# Altium PCB TC264Main.PcbDoc
Units mm, origin at the board's own origin, x right, y up, seen from the top; angles counter-clockwise.
Board outline 100 x 64.06 mm, 4 copper layers (Top, GND, PWR, Bottom), stack 0.55 mm thick; 45 components, 72 nets, 276 pads, 398 vias.
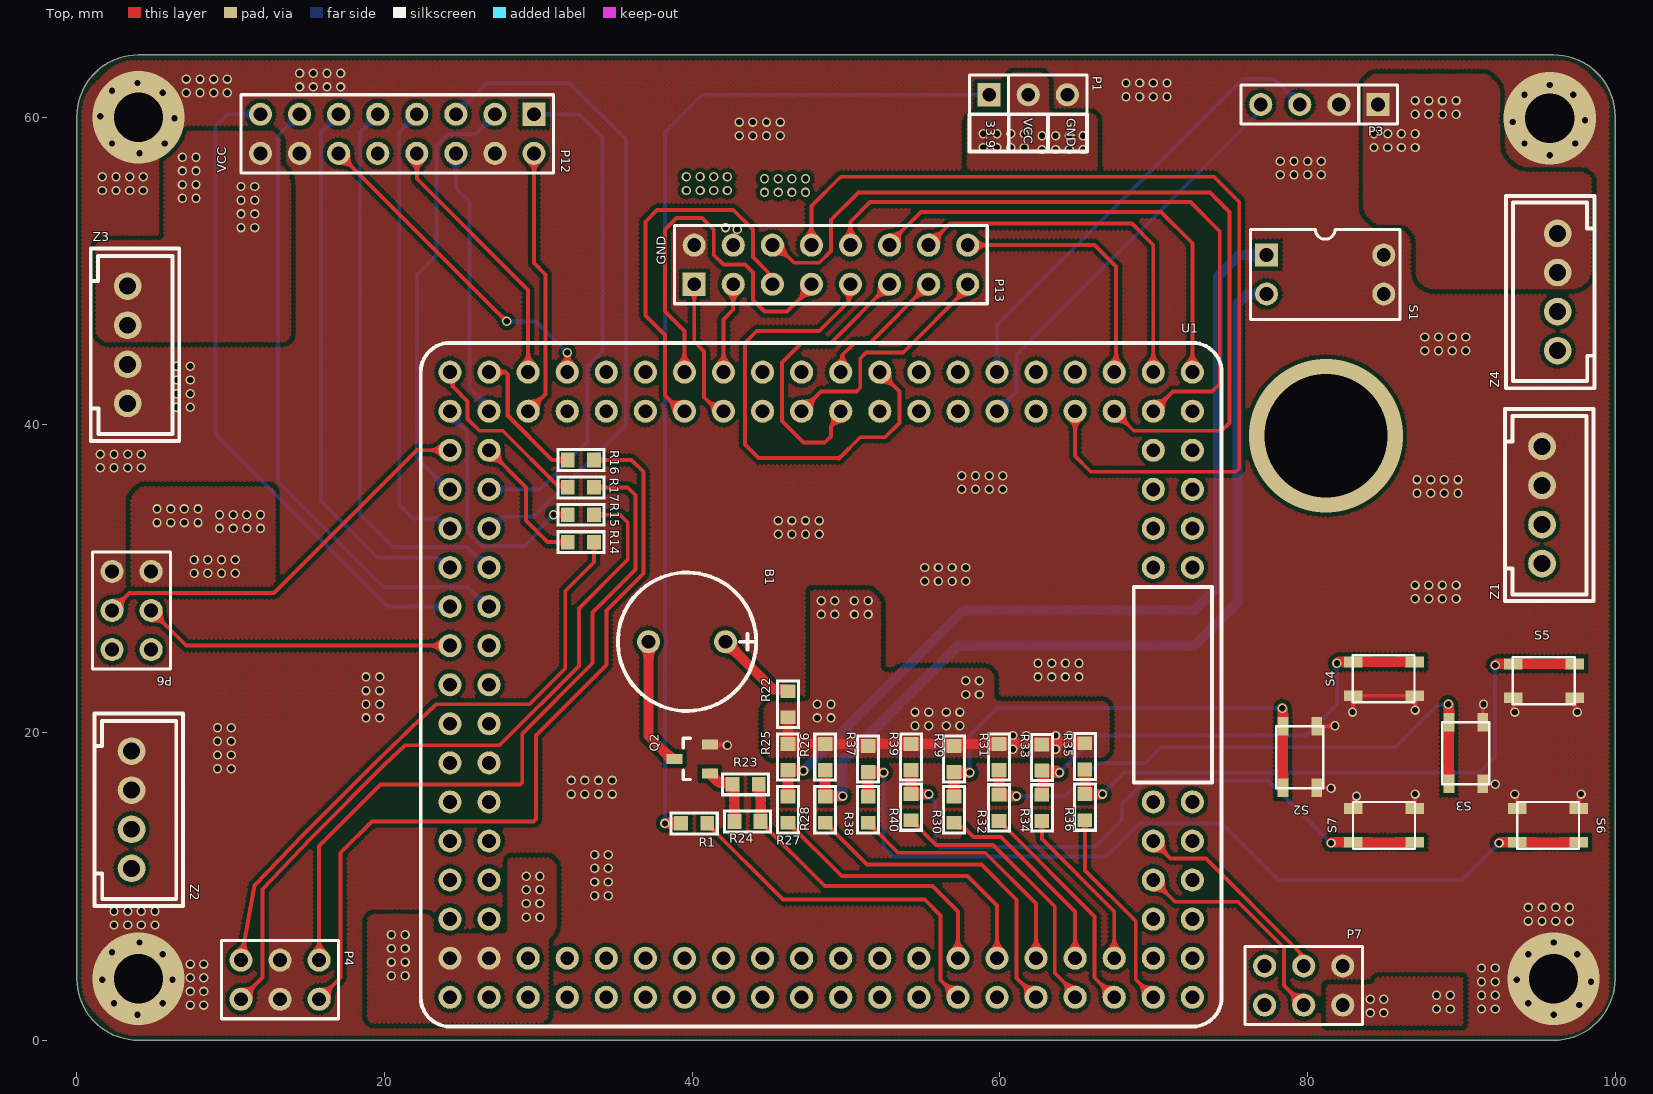
[diagram p0: Top view]
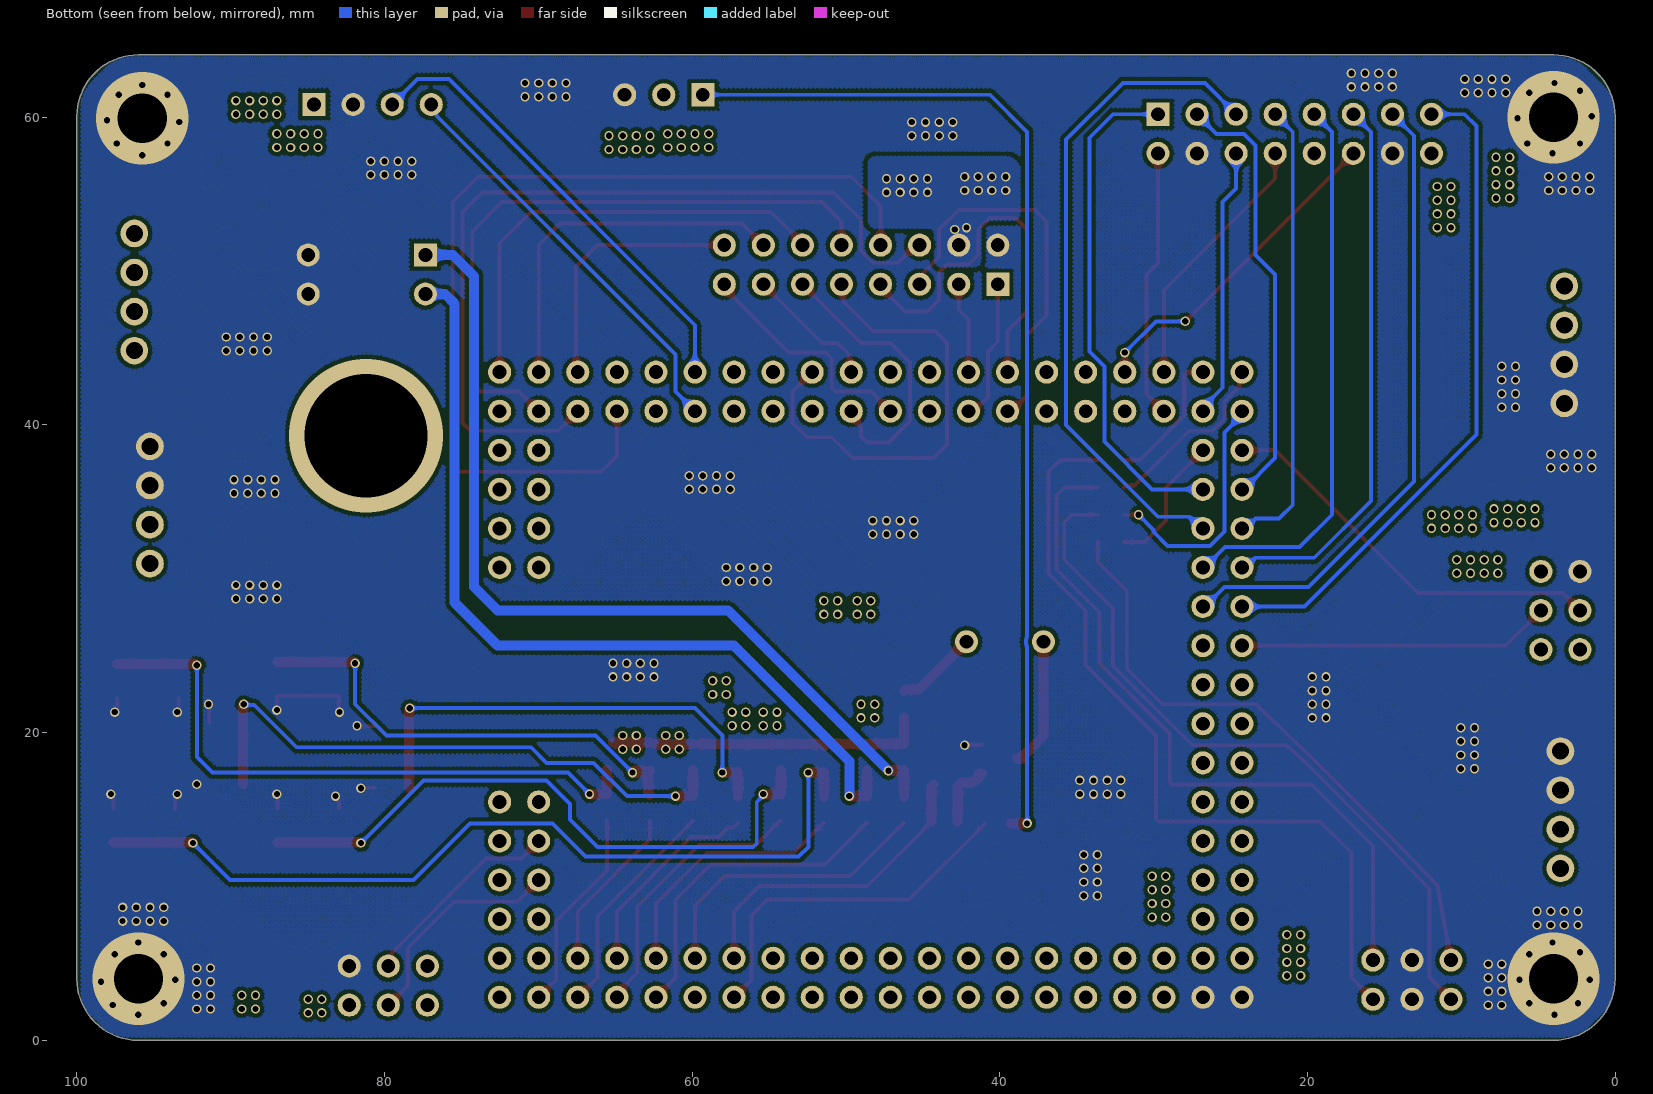
[diagram p1: Bottom view, seen from below]
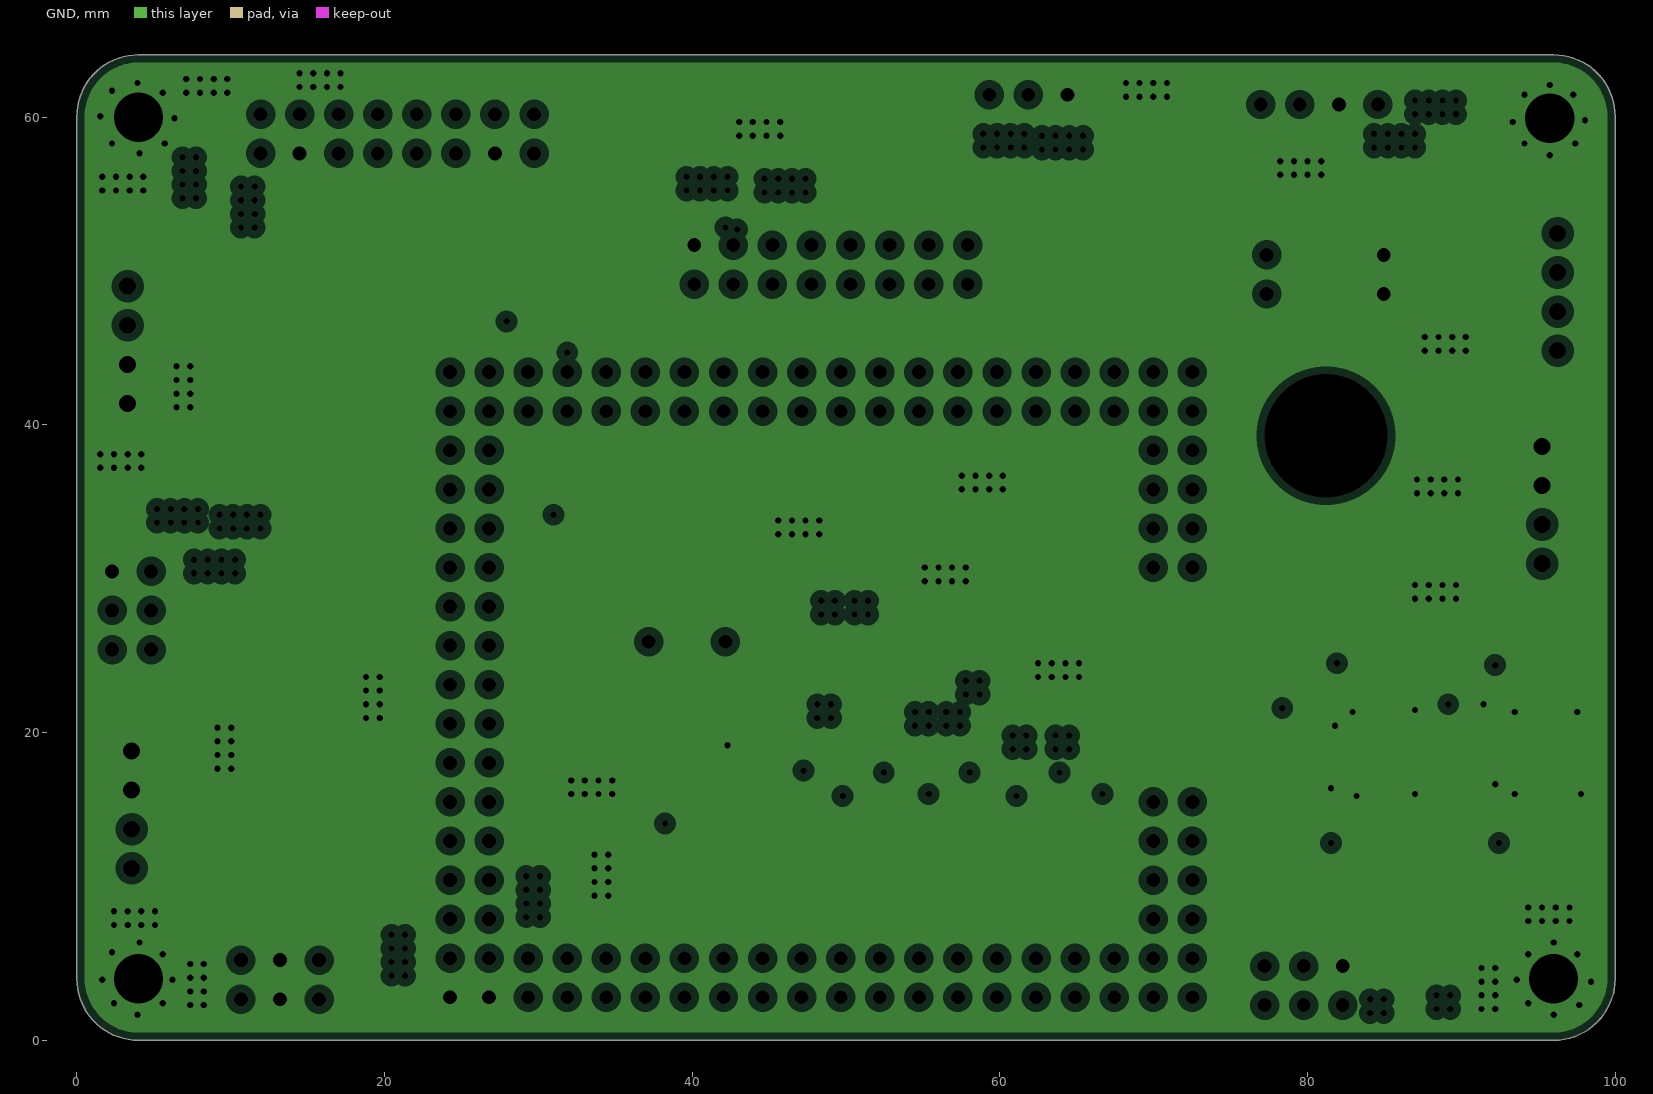
[diagram p2: GND, clearances drawn from the general rule]
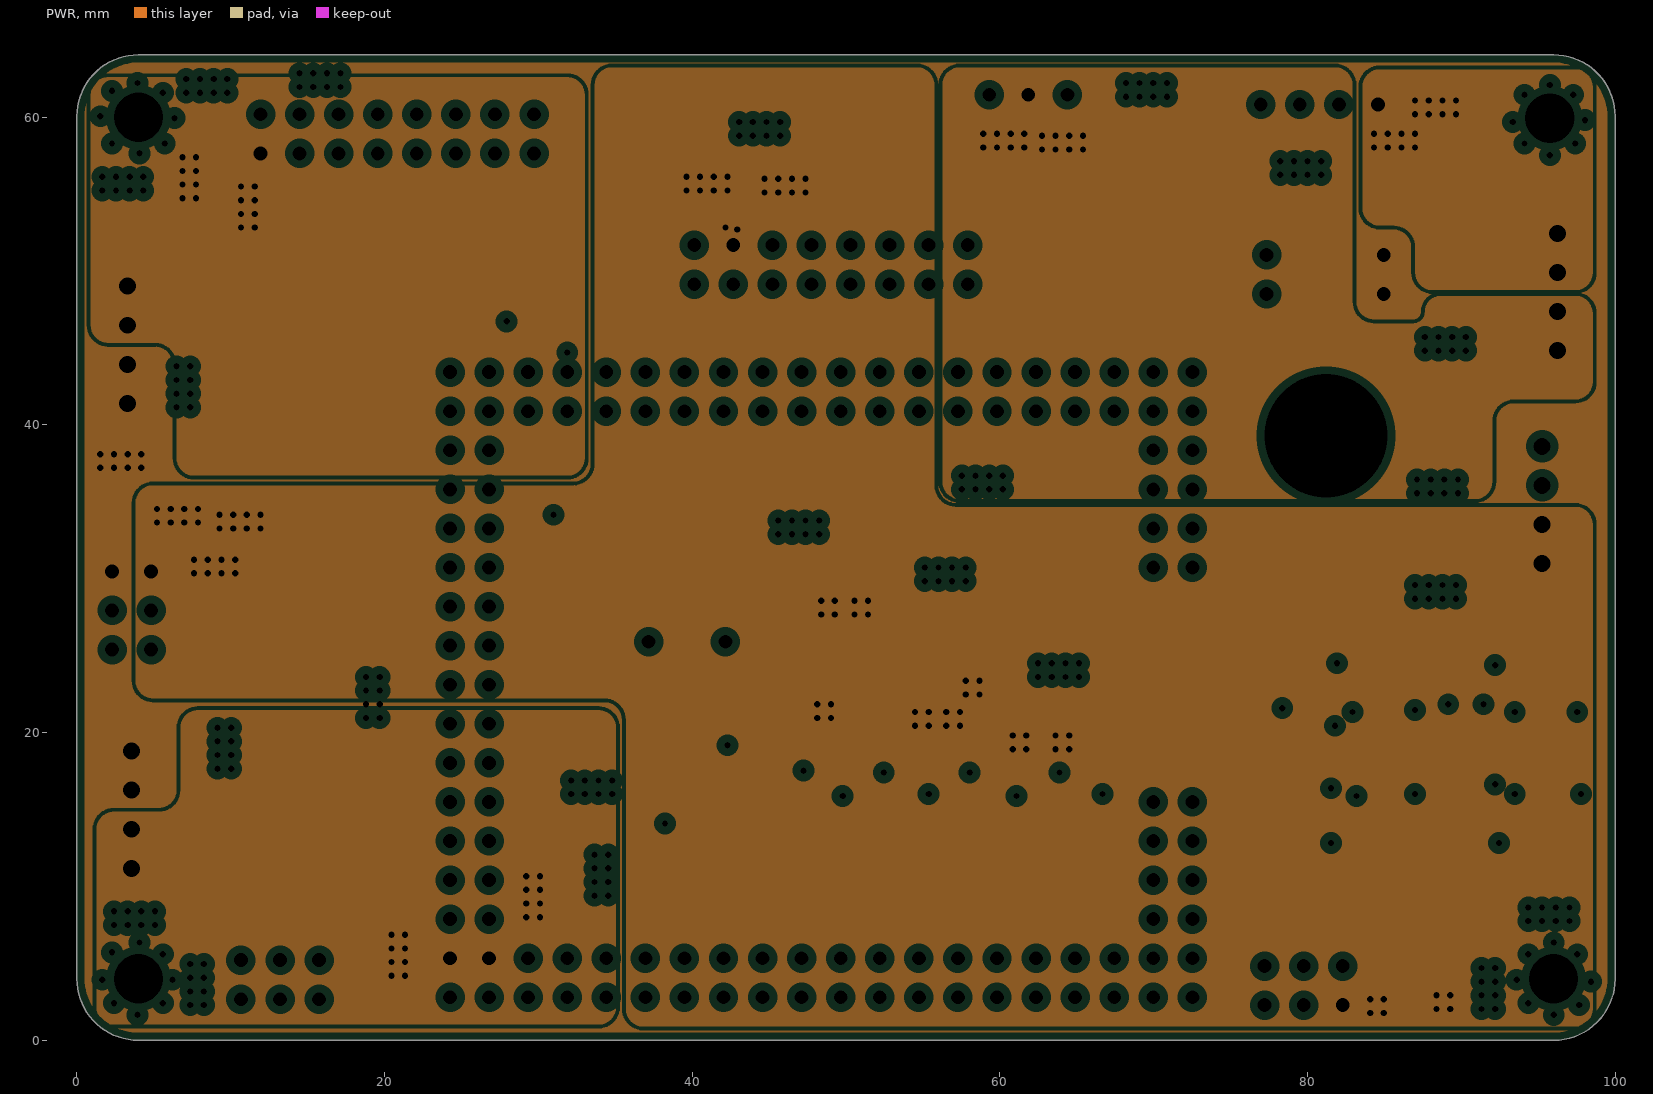
[diagram p3: PWR, clearances drawn from the general rule]

## Layer stack, top to bottom
Top Solder: solder mask 0.0102, Solder Resist, Dk 3.5
Top: signal copper 0.009
Dielectric 2: prepreg 0.0711, PP-006, Dk 4.1
GND: plane copper 0.035, net GND
Dielectric 1: dielectric 0.32, FR-4, Dk 4.8
PWR: plane copper 0.035
Dielectric 3: prepreg 0.0711, PP-006, Dk 4.1
Bottom: signal copper 0.009
Bottom Solder: solder mask 0.0102, Solder Resist, Dk 3.5

## Board outline
4,0 cw(c4,4) 0,4 0,60.059 cw(c4,60.059) 4,64.059 96,64.059 cw(c96,60.059) 100,60.059 100,60.033 100,4 cw(c96,4) 96,0
cut-out: -97.282,-386.207 -97.028,-386.207 -97.028,-385.953 -97.282,-385.953

## Design rules (kind name [scope] priority, off if disabled: settings)
Clearance [All] p1: gap=0.254 ignorepadtopadclearanceinfootprint=FALSE except(0: Arc-Hole Track-Hole SMDPad-Hole THPad-Hole Via-Hole Fill-Hole Poly-Hole Region-Hole Text-Hole)
PlaneClearance [All] p1: clearance=0.508
PlaneConnect [All] p1: planeconnectstyle=Direct reliefexpansion=0.508 reliefentries=4 reliefconductorwidth=0.254 reliefairgap=0.254
PolygonConnect [All] p1: connectstyle=Direct reliefconductorwidth=0.254 reliefentries=4 polygonreliefangle="90 Angle" airgapwidth=0.254
RoutingVias [All] p1: holewidth=0.711 width=1.27 viastyle="Through Hole" minholewidth=0.711 minwidth=1.27 maxholewidth=0.711 maxwidth=1.27
SolderMaskExpansion [All] p1: expansion=0.102 istentingtop=FALSE
Width [All] p1: maxlimit=1.27 minlimit=0.254 preferedwidth=0.254 minimp=50.000000 maximp=50.000000 favimp=50.000000
28 further rules are at their usual default settings.

## Components (designator, comment, footprint, x,y, rotation, side; value= is the part's Value field where it differs from the comment)
B1 "BEEP" "BEEP 9X5.5MM" 39.664,25.908 r180 top
P1 "Header 3" HDR1X3 59.309,61.468 r0 top
P3 "Header 4" HDR1X4 84.582,60.833 r180 top
P4 "Header-D-M 2x3P" HDR2X3-M 15.748,5.207 r180 top
P6 "Header-D-M 2x3P" HDR2X3-M 4.826,25.4 r90 top
P7 "Header-D-M 2x3P" HDR2X3-M 77.216,2.286 r0 top
P12 "Header 8X2" HDR2X8 29.718,60.198 r180 top
P13 "Header 8X2" HDR2X8 40.132,49.149 r0 top
Q2 "S8050" SOT-23 40.005,18.288 r180 top
R1 "100R ±1%" RESC1608[0603]S-N 40.132,14.097 r180 top value=100R
R14 "100R ±1%" RESC1608[0603]S-N 32.766,32.385 r180 top value=100R
R15 "100R ±1%" RESC1608[0603]S-N 32.766,34.163 r180 top value=100R
R16 "100R ±1%" RESC1608[0603]S-N 32.766,37.719 r0 top value=100R
R17 "100R ±1%" RESC1608[0603]S-N 32.766,35.941 r0 top value=100R
R22 "10R ±1%" RESC1608[0603]S-N 46.228,21.844 r90 top value=10R
R23 "4.7K ±1%" RESC1608[0603]S-N 43.473,16.637 r180 top value=4.7K
R24 "10K ±1%" RESC1608[0603]S-N 43.6,14.224 r180 top value=10K
R25 "4.7K ±1%" RESC1608[0603]S-N 46.228,18.415 r270 top value=4.7K
R26 "4.7K ±1%" RESC1608[0603]S-N 48.641,18.415 r270 top value=4.7K
R27 "470R ±1%" RESC1608[0603]S-N 46.228,14.986 r270 top value=470R
R28 "470R ±1%" RESC1608[0603]S-N 48.641,14.986 r270 top value=470R
R29 "4.7K ±1%" RESC1608[0603]S-N 57.023,18.288 r270 top value=4.7K
R30 "470R ±1%" RESC1608[0603]S-N 57.023,14.986 r270 top value=470R
R31 "4.7K ±1%" RESC1608[0603]S-N 59.944,18.415 r270 top value=4.7K
R32 "470R ±1%" RESC1608[0603]S-N 59.944,15.113 r270 top value=470R
R33 "4.7K ±1%" RESC1608[0603]S-N 62.738,18.376 r270 top value=4.7K
R34 "470R ±1%" RESC1608[0603]S-N 62.738,15.113 r270 top value=470R
R35 "4.7K ±1%" RESC1608[0603]S-N 65.532,18.454 r270 top value=4.7K
R36 "470R ±1%" RESC1608[0603]S-N 65.532,15.152 r270 top value=470R
R37 "4.7K ±1%" RESC1608[0603]S-N 51.435,18.288 r270 top value=4.7K
R38 "470R ±1%" RESC1608[0603]S-N 51.435,14.986 r270 top value=470R
R39 "4.7K ±1%" RESC1608[0603]S-N 54.229,18.415 r270 top value=4.7K
R40 "470R ±1%" RESC1608[0603]S-N 54.229,15.152 r270 top value=470R
S1 "SW DIP-2" "CODE SW-2-DIP-2.54" 81.153,49.784 r270 top
S2 "Button" PTS810-3*4-CURVEPIN 79.502,18.415 r90 top
S3 "Button" PTS810-3*4-CURVEPIN 90.297,18.669 r90 top
S4 "Button" PTS810-3*4-CURVEPIN 84.963,23.495 r0 top
S5 "Button" PTS810-3*4-CURVEPIN 95.377,23.368 r0 top
S6 "Button" PTS810-3*4-CURVEPIN 95.631,13.97 r180 top
S7 "Button" PTS810-3*4-CURVEPIN 84.963,13.97 r180 top
U1 "TC264_CoreBoard" "TC264_COREBOARD - DUPLICATE" 24.257,2.794 r90 top
Z1 "ZX-XH2.54-4PZZ" ZX-XH2.54-4PZZ 95.25,30.988 r90 top
Z2 "ZX-XH2.54-4PZZ" ZX-XH2.54-4PZZ 3.556,11.176 r90 top
Z3 "ZX-XH2.54-4PZZ" ZX-XH2.54-4PZZ 3.302,41.402 r90 top
Z4 "ZX-XH2.54-4PZZ" ZX-XH2.54-4PZZ 96.266,52.451 r270 top

## Footprints (in the part's own frame and the unit in brackets; to place one, negate y for a bottom-side part, rotate by r counter-clockwise, add the part's x,y. Pads: shape width x height; smd on the part's side, far side on the other; paste and mask are expansions set on the pad)
"BEEP 9X5.5MM" [mm] "蜂鸣器 9x5.5mm"
  round 1.5 hole 0.9: 1(-2.5,0) 2(2.5,0)
  silkscreen extent -4.5,-4.5 4.5,4.5, body extent -4.8,-4.8 4.8,4.8, height 5.05
"CODE SW-2-DIP-2.54" [mm] "2位直插拨码开关 间距2.54"
  rect 1.5x1.5 hole 0.9: 1(-1.27,-3.81)
  round 1.5 hole 0.9: 2(1.27,-3.81) 3(1.27,3.81) 4(-1.27,3.81)
  silkscreen extent -2.93,-4.85 2.93,4.85, body extent -3.04,-4.95 3.04,4.95, height 7.03
HDR1X3 [mm] "Connector; Header; 3 Position"
  rect 1.5x1.5 hole 0.9: 1(0,0)
  round 1.5 hole 0.9: 2(2.54,0) 3(5.08,0)
  silkscreen extent -1.27,-1.27 6.35,1.27, body extent -1.27,-1.27 6.35,1.27, height 8.54
HDR1X4 [mm] "Connector; Header; 4 Position"
  rect 1.5x1.5 hole 0.9: 1(0,0)
  round 1.5 hole 0.9: 2(2.54,0) 3(5.08,0) 4(7.62,0)
  silkscreen extent -1.27,-1.27 8.89,1.27, body extent -1.27,-1.27 8.89,1.27, height 8.54
HDR2X3-M [mm] "2x3pin, 2.54mm间距, 直插, 直排针"
  round 1.5 hole 0.9: 1(0,0) 2(0,2.54) 3(2.54,0) 4(2.54,2.54) 5(5.08,0) 6(5.08,2.54)
  silkscreen extent -1.27,-1.27 6.35,3.81, body extent -1.27,-1.27 6.35,3.81, height 8.54
HDR2X8 [mm] "Connector; Header; 8x2 Position"
  rect 1.5x1.5 hole 0.9: 1(0,0)
  round 1.5 hole 0.9: 2(0,2.54) 3(2.54,0) 4(2.54,2.54) 5(5.08,0) 6(5.08,2.54) 7(7.62,0) 8(7.62,2.54) 9(10.16,0) 10(10.16,2.54) 11(12.7,0) 12(12.7,2.54) 13(15.24,0) 14(15.24,2.54) 15(17.78,0) 16(17.78,2.54)
  silkscreen extent -1.27,-1.27 19.05,3.81, body extent -1.27,-1.27 19.05,3.81, height 8.54
PTS810-3*4-CURVEPIN [mm] "3*4 白色 汽车遥控器贴片按键 包脚"
  rect 1.2x0.7 smd: 1(-2,-1.1) 1(2,-1.1) 2(-2,1.1) 2(2,1.1)
  silkscreen extent -2.02,-1.52 2,1.52, body extent -2.3,-1.6 2.3,1.6, height 2.5
RESC1608[0603]S-N [mm] "0603贴片电阻 有丝印 2脚 1.60x0.80mm IPC中密度"
  rect 0.9x0.95 smd: 1(-0.85,0) 2(0.85,0)
  silkscreen extent -1.6,-0.77 1.6,0.78, body extent -0.8,-0.4 0.8,0.4, height 0.45
SOT-23 [mm] "SOT23, 3-Leads, Body 2.90x2.40mm, Pitch 0.95mm, IPC Medium Density"
  rect 1.05x0.65 smd: 1(-1.15,0.95) 2(-1.15,-0.95) 3(1.15,0)
  silkscreen extent 0.13,-1.35 0.58,1.35, body extent -1.4,-1.45 1.4,1.45, height 1.2
"TC264_COREBOARD - DUPLICATE" [mm] "逐飞科技TC264核心板"
  round 1.5 hole 0.9: 1(0,0) 2(2.54,0) 3(0,-2.54) 4(2.54,-2.54) 5(0,-5.08) 6(2.54,-5.08) 7(0,-7.62) 8(2.54,-7.62) 9(0,-10.16) 10(2.54,-10.16) 11(0,-12.7) 12(2.54,-12.7) 13(0,-15.24) 14(2.54,-15.24) 15(0,-17.78) 16(2.54,-17.78) 17(0,-20.32) 18(2.54,-20.32) 19(0,-22.86) 20(2.54,-22.86) 21(0,-25.4) 22(2.54,-25.4) 23(0,-27.94) 24(2.54,-27.94) 25(0,-30.48) 26(2.54,-30.48) 27(0,-33.02) 28(2.54,-33.02) 29(0,-35.56) 30(2.54,-35.56) 31(0,-38.1) 32(2.54,-38.1) 33(0,-40.64) 34(2.54,-40.64) 35(0,-43.18) 36(2.54,-43.18) 37(0,-45.72) 38(2.54,-45.72) 39(0,-48.26) 40(2.54,-48.26) 41(5.08,-48.26) 42(5.08,-45.72) 43(7.62,-48.26) 44(7.62,-45.72) 45(10.16,-48.26) 46(10.16,-45.72) 47(12.7,-48.26) 48(12.7,-45.72) 49(27.94,-45.72) 50(27.94,-48.26) 51(30.48,-45.72) 52(30.48,-48.26) 53(33.02,-45.72) 54(33.02,-48.26) 55(35.56,-45.72) 56(35.56,-48.26) 57(38.1,-48.26) 58(40.64,-48.26) 59(38.1,-45.72) 60(40.64,-45.72) 61(38.1,-43.18) 62(40.64,-43.18) 63(38.1,-40.64) 64(40.64,-40.64) 65(38.1,-38.1) 66(40.64,-38.1) 67(38.1,-35.56) 68(40.64,-35.56) 69(38.1,-33.02) 70(40.64,-33.02) 71(38.1,-30.48) 72(40.64,-30.48) 73(38.1,-27.94) 74(40.64,-27.94) 75(38.1,-25.4) 76(40.64,-25.4) 77(38.1,-22.86) 78(40.64,-22.86) 79(38.1,-20.32) 80(40.64,-20.32) 81(38.1,-17.78) 82(40.64,-17.78) 83(38.1,-15.24) 84(40.64,-15.24) 85(38.1,-12.7) 86(40.64,-12.7) 87(38.1,-10.16) 88(40.64,-10.16) 89(38.1,-7.62) 90(40.64,-7.62) 91(38.1,-5.08) 92(40.64,-5.08) 93(38.1,-2.54) 94(40.64,-2.54) 95(38.1,0) 96(40.64,0) 97(35.56,-2.54) 98(35.56,0) 99(33.02,-2.54) 100(33.02,0) 101(30.48,-2.54) 102(30.48,0) 103(27.94,-2.54) 104(27.94,0) 105(25.4,-2.54) 106(25.4,0) 107(22.86,-2.54) 108(22.86,0) 109(20.32,-2.54) 110(20.32,0) 111(17.78,-2.54) 112(17.78,0) 113(15.24,-2.54) 114(15.24,0) 115(12.7,-2.54) 116(12.7,0) 117(10.16,-2.54) 118(10.16,0) 119(7.62,-2.54) 120(7.62,0) 121(5.08,-2.54) 122(5.08,0)
  silkscreen extent -1.91,-50.16 42.55,1.91
ZX-XH2.54-4PZZ [mm]
  round 1.8 hole 1.1 paste-2539.97 mask+0.051: 1(7.62,0) 2(5.08,0) 3(2.54,0) 4(0,0)
  silkscreen extent -2.44,-3.35 10.06,2.4, body extent -2.44,-3.29 10.06,2.41, height 7

## Part data
B1: "蜂鸣器"
P1: "Header, 3-Pin", LatestRevisionDate=17-Jul-2002, LatestRevisionNote="Re-released for DXP Platform.", Price(RMB)=0.00, Publisher="Altium Limited"
P3: "Header, 4-Pin", LatestRevisionDate=17-Jul-2002, LatestRevisionNote="Re-released for DXP Platform.", Price(RMB)=0.00, Publisher="Altium Limited"
P4 P6 P7: "2x3pin, 直插, 双排针", Revision=V1.0
P12 P13: "Header, 8-Pin, Dual row", LatestRevisionDate=17-Jul-2002, LatestRevisionNote="Re-released for DXP Platform.", Price(RMB)=0.00, Publisher="Altium Limited"
Q2: library part "NPN S8050", "Discrete NPN Bipolar Transistor", PartNumber=S8050, Price(RMB)=0.000, Published=8-Jun-2000, Publisher="Altium Limited", Revision="July-2002: Re-released for DXP Platform."
R1 R14 R15 R16 R17: library part Res-Chip_1, "贴片电阻", Tolerance=±1%, Published=8-Jun-2000, Revision="July-2002: Re-released for DXP Platform."
R22: library part Res-Chip_10, "贴片电阻", Tolerance=±1%, Published=8-Jun-2000, Revision="July-2002: Re-released for DXP Platform."
R23 R25 R26 R29 R31 R33 R35 R37 R39: library part Res-Chip_4, "贴片电阻", Tolerance=±1%, Published=8-Jun-2000, Revision="July-2002: Re-released for DXP Platform."
R24: library part Res-Chip, "贴片电阻", Tolerance=±1%, Published=8-Jun-2000, Revision="July-2002: Re-released for DXP Platform."
R27 R28 R30 R32 R34 R36 R38 R40: library part Res-Chip_11, "贴片电阻", Tolerance=±1%, Published=8-Jun-2000, Revision="July-2002: Re-released for DXP Platform."
S1: library part "Code SW-2", "2位拨码开关", Price(RMB)=0.000, Published=24-Mar-1999, Publisher="Altium Limited", Revision="July-2002: Re-released for DXP Platform."
S2 S3 S4 S5 S6 S7: library part KEY, "按键", Price(RMB)=0.000, Published=24-Mar-1999, Publisher="Altium Limited"
U1: "逐飞科技TC264核心板"
Z1 Z2 Z3 Z4: "接线端子"

## Via types
v1: diameter 0.61, hole 0.406, Top to Bottom, tented both sides, 393 vias
v2: diameter 6, hole 3.2, Top to Bottom, 4 vias
v3: diameter 10, hole 8, Top to Bottom, 1 vias

## Nets (pads, with @x,y where several pads share a name; then routed paths per layer and width w, separated by ;. In a path a pad name is that pad's centre, name@x,y a point inside that pad or via, vN(x,y) a via of type N, cw(c..) or ccw(c..) an arc to the next point about the centre after c; other vN are vias at no path point)
00.0: P12.1 U1.99 | length 32.9
  Bottom w0.254: U1.99 30.099,35.814 33.198,38.913 33.198,43.814 34.163,44.779 34.163,58.674 32.639,60.198 P12.1
00.1: P12.3 U1.100 | length 28.5
  Bottom w0.254: U1.100 24.13,35.814 22.098,37.846 22.098,49.784 23.368,51.054 23.368,58.166 24.13,58.928 25.908,58.928 P12.3
00.2: P12.5 U1.101 | length 43.6
  Bottom w0.254: P12.5 26.67,62.23 32.004,62.23 35.687,58.547 35.687,40.005 29.718,34.036 27.686,34.036 26.924,33.274 U1.101
00.3: P12.7 U1.102 | length 29.8
  Bottom w0.254: P12.7 20.955,59.055 20.955,34.798 21.844,33.909 23.368,33.909 24.003,33.274 U1.102
00.4: P12.9 U1.103 | length 36.4
  Top w0.254: U1.103@26.733,30.734 U1.103
  Bottom w0.254: P12.9 18.415,59.055 18.415,34.163 20.523,32.055 25.349,32.055 26.67,30.734 U1.103
00.5: P12.11 U1.104 | length 35.8
  Bottom w0.254: P12.11 15.875,59.055 15.875,35.052 19.558,31.369 23.368,31.369 24.003,30.734 U1.104
00.6: P12.13 U1.105 | length 41.6
  Top w0.254: U1.105@26.733,28.194 U1.105
  Bottom w0.254: P12.13 13.081,58.801 13.081,36.322 19.939,29.464 25.4,29.464 26.67,28.194 U1.105
00.7: P12.15 U1.106 | length 43.2
  Bottom w0.254: P12.15 9.779,60.198 9.017,59.436 9.017,39.37 20.193,28.194 U1.106
00.9: P6.3 U1.108 | length 20.4
  Top w0.254: P6.3 7.112,25.654 U1.108
02.0: P12.12 U1.90 | length 21.5
  Top w0.254: P12.12 v1(27.94,46.736) ; U1.90 v1(31.877,44.704)
  Bottom w0.254: v1(27.94,46.736) 29.845,46.736 v1(31.877,44.704)
02.1: P12.2 U1.91 | length 17.5
  Top w0.254: U1.91 30.468,42.025 30.468,49.768 29.718,50.518 P12.2
02.2: P12.8 U1.92 | length 17.2
  Top w0.254: P12.8 22.098,56.007 29.337,48.768 U1.92
02.3: P12.6 U1.93 | length 17.7
  Bottom w0.254: P12.6 24.638,55.372 25.527,54.483 25.527,42.418 26.797,41.148 U1.93
02.4: R16.1 U1.94 | length 9.1
  Top w0.279: U1.94 27.855,43.434 28.019,43.27 28.019,40.595 30.895,37.719 R16.1
02.5: R15.2 U1.95 | length 16.3
  Top w0.254: U1.95@24.257,40.736 U1.95 ; v1(30.988,34.163) R15.2
  Bottom w0.254: U1.95 24.257,40.64 25.388,39.509 25.388,33.084 26.329,32.143 29.095,32.143 30.007,33.055 30.007,33.182 v1(30.988,34.163)
02.6: R17.1 U1.96 | length 11.9
  Top w0.254: U1.96 24.425,43.266 24.425,42.511 24.505,42.432 25.4,41.536 25.4,40.386 26.162,39.624 27.686,39.624 31.234,36.076 31.781,36.076 R17.1
02.7: R14.2 U1.97 | length 8.9
  Top w0.254: U1.97 29.21,35.941 29.21,33.782 30.607,32.385 R14.2
02.8: P6.4 U1.98 | length 26.3
  Top w0.254: P6.4 3.429,29.083 12.827,29.083 22.12,38.376 22.382,38.376 22.404,38.354 U1.98
3V3: P6.5 P7.5 P13.4 R22.1 R25.1 R26.1 R29.1 R31.1 R33.1 R35.1 R37.1 R39.1 Z1.3 Z1.4 | length 19.6
  Top w0.65: R22.1 R25.1 R26.1 51.283,19.265 51.41,19.138 R37.1 cw(c51.742,18.831) 51.742,19.265 R39.1@53.975,19.265 ; R39.1 R29.1@56.769,19.265 ; R29.1@57.023,19.265 R31.1@59.563,19.265 ; R31.1 R33.1@62.484,19.265 ; R33.1@62.738,19.353 R35.1@65.151,19.353
  other v1: 84.074,1.778 84.963,1.778 88.392,2.032 89.281,2.032 84.074,2.667 84.963,2.667 88.392,2.921 89.281,2.921 60.833,18.923 61.722,18.923 63.627,18.923 64.516,18.923 60.833,19.812 61.722,19.812 63.627,19.812 64.516,19.812 54.483,20.447 55.372,20.447 56.515,20.447 57.404,20.447 48.133,20.955 49.022,20.955 54.483,21.336 55.372,21.336 56.515,21.336 57.404,21.336 48.133,21.844 49.022,21.844 57.785,22.479 58.674,22.479 57.785,23.368 58.674,23.368 48.387,27.686 49.276,27.686 50.546,27.686 51.435,27.686 48.387,28.575 49.276,28.575 50.546,28.575 51.435,28.575 7.62,30.353 8.509,30.353 9.398,30.353 10.287,30.353 7.62,31.242 8.509,31.242 9.398,31.242 10.287,31.242 9.271,33.274 10.16,33.274 11.049,33.274 11.938,33.274 5.207,33.655 6.096,33.655 6.985,33.655 7.874,33.655 9.271,34.163 10.16,34.163 11.049,34.163 11.938,34.163 5.207,34.544 6.096,34.544 6.985,34.544 7.874,34.544 42.926,52.705 42.164,52.832 44.704,55.118 45.593,55.118 46.482,55.118 47.371,55.118 39.624,55.245 40.513,55.245 41.402,55.245 42.291,55.245 44.704,56.007 45.593,56.007 46.482,56.007 47.371,56.007 39.624,56.134 40.513,56.134 41.402,56.134 42.291,56.134